# Altium PCB Goldstrike1_Rev01 - DLV.PcbDoc (part 3 of 3) (continued)
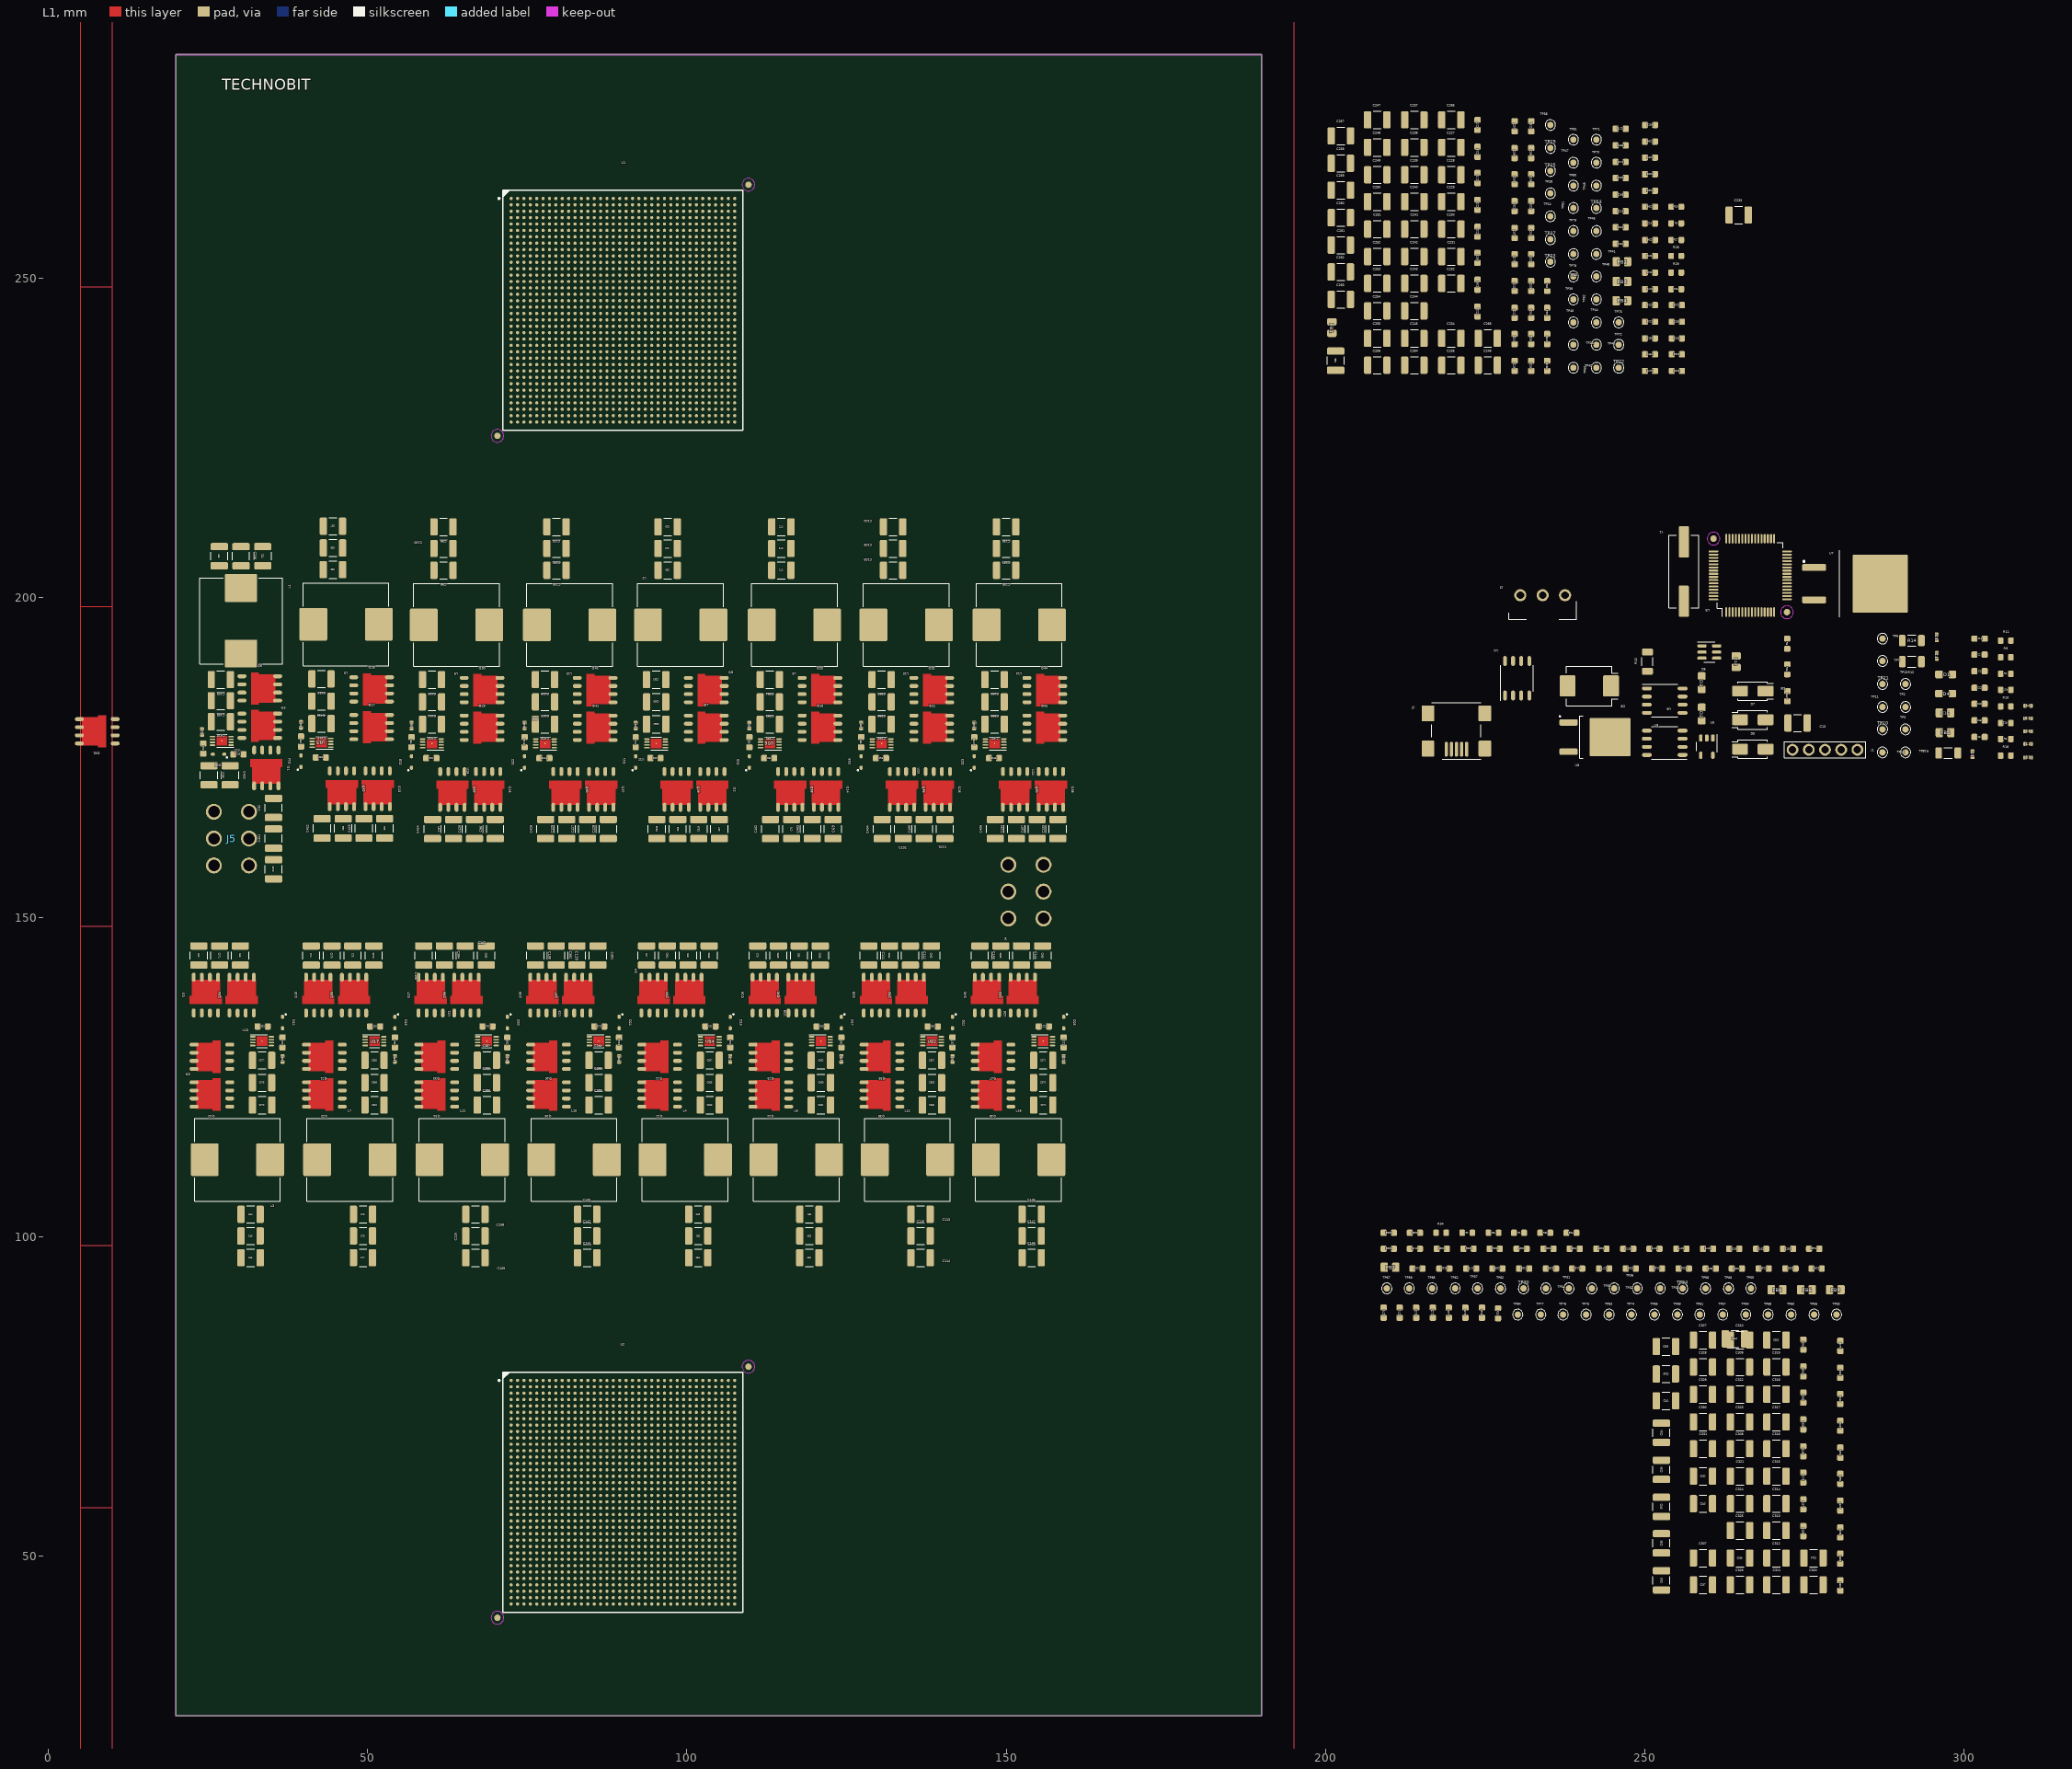
[diagram p0: L1 view]
## Nets (pads, with @x,y where several pads share a name; then routed paths per layer and width w, separated by ;. In a path a pad name is that pad's centre, name@x,y a point inside that pad or via, vN(x,y) a via of type N, cw(c..) or ccw(c..) an arc to the next point about the centre after c; other vN are vias at no path point) (continued)
GREEN: D2.2 U3.47
HO1: Q1.4 Q61.4 U11.1
HO2: Q13.4 Q62.4 U15.1
HO3: Q25.4 Q63.4 U19.1
HO4: Q37.4 Q64.4 U23.1
HO5: Q2.4 Q49.4 U12.1
HO6: Q14.4 Q58.4 U16.1
HO7: Q26.4 Q59.4 U20.1
HO8: Q38.4 Q60.4 U24.1
HO9: Q3.4 Q54.4 U13.1
HO10: Q15.4 Q55.4 U17.1
HO11: Q27.4 Q56.4 U21.1
HO12: Q39.4 Q57.4 U25.1
HO13: Q4.4 Q50.4 U14.1
HO14: Q16.4 Q51.4 U18.1
HO15: Q28.4 Q52.4 U22.1
HO16: Q40.4 Q53.4 U26.1
JTG_TRST_L_1: R20.1 U1.AE35 U1.AR12 U1.B25 U1.M2
JTG_TRST_L_2: R1.1 U2.AE35 U2.AR12 U2.B25 U2.M2
LDO3.3V-5.0V: R14.1 R15.1 U9.5 U9.8
LDO5.0V: C15.1 D5.1 D7.2 R11.1 R12.2 R15.2 U5.1 U5.3 U6.5 U6.8
LM12V: D8.1 R13.1 U4.8 U7.1 U8.1
LO1: Q5.4 Q6.4 U11.3
LO2: Q17.4 Q18.4 U15.3
LO3: Q29.4 Q30.4 U19.3
LO4: Q41.4 Q42.4 U23.3
LO5: Q7.4 Q8.4 U12.3
LO6: Q19.4 Q20.4 U16.3
LO7: Q31.4 Q32.4 U20.3
LO8: Q43.4 Q44.4 U24.3
LO9: Q9.4 Q10.4 U13.3
LO10: Q21.4 Q22.4 U17.3
LO11: Q33.4 Q34.4 U21.3
LO12: Q45.4 Q46.4 U25.3
LO13: Q11.4 Q12.4 U14.3
LO14: Q23.4 Q24.4 U18.3
LO15: Q35.4 Q36.4 U22.3
LO16: Q47.4 Q48.4 U26.3
"MAIN OSC IN": C10.1 U3.39 Y1.1
"MAIN OSC OUT": C11.1 U3.40 Y1.2
MCLR: C5.1 J1.1 R9.1 U3.7
MCU5.0V: R10.2 U3.34
MEAS12: C1.1 R4.2 R5.2 U3.18
NetR16_2: R16.2 R17.1 U9.2
NetR27_2: R27.2 TP78.1 U1.AE4
NetR28_2: R28.2 TP79.1 U1.AN25
NetR29_2: R29.2 TP80.1 U1.M33
NetR30_2: R30.2 TP81.1 U1.D12
NetR31_2: R31.2 TP82.1 U2.AE4
NetR32_2: R32.2 TP83.1 U2.AN25
NetR33_2: R33.2 TP84.1 U2.M33
NetR34_2: R34.2 TP85.1 U2.D12
NetTP3_1: TP3.1 U3.11
NetTP5_1: TP5.1 U3.12
NetTP6_1: TP6.1 U3.13
NetTP7_1: TP7.1 U3.14
NetTP10_1: TP10.1 U3.21
NetTP11_1: TP11.1 U3.22
NetTP12_1: TP12.1 U3.43
NetTP13_1: TP13.1 U3.42
NetTP21_1: TP21.1 U3.33
NetTP22_1: TP22.1 U1.AM6
NetTP23_1: TP23.1 U1.AL32
NetTP24_1: TP24.1 U1.E31
NetTP25_1: TP25.1 U1.F5
NetTP26_1: TP26.1 U1.AM7
NetTP27_1: TP27.1 U1.AK32
NetTP28_1: TP28.1 U1.E30
NetTP29_1: TP29.1 U1.G5
NetTP30_1: TP30.1 U2.AM6
NetTP31_1: TP31.1 U2.AL32
NetTP32_1: TP32.1 U2.E31
NetTP33_1: TP33.1 U2.F5
NetTP34_1: TP34.1 U2.AM7
NetTP35_1: TP35.1 U2.AK32
NetTP36_1: TP36.1 U2.E30
NetTP37_1: TP37.1 U2.G5
NetTP38_1: TP38.1 U1.AM1
NetTP39_1: TP39.1 U1.AT32
NetTP40_1: TP40.1 U1.E36
NetTP41_1: TP41.1 U1.A5
NetTP42_1: TP42.1 U1.AG2
NetTP43_1: TP43.1 U1.AR27
NetTP44_1: TP44.1 U1.K35
NetTP45_1: TP45.1 U1.B10
NetTP46_1: TP46.1 U1.AH3
NetTP47_1: TP47.1 U1.AP28
NetTP48_1: TP48.1 U1.J34
NetTP49_1: TP49.1 U1.C9
NetTP50_1: TP50.1 U1.AG4
NetTP51_1: TP51.1 U1.AN27
NetTP52_1: TP52.1 U1.K33
NetTP53_1: TP53.1 U1.D10
NetTP54_1: TP54.1 U2.AM1
NetTP55_1: TP55.1 U2.AT32
NetTP56_1: TP56.1 U2.E36
NetTP57_1: TP57.1 U2.A5
NetTP58_1: TP58.1 U2.AG2
NetTP59_1: TP59.1 U2.AR27
NetTP60_1: TP60.1 U2.K35
NetTP61_1: TP61.1 U2.B10
NetTP62_1: TP62.1 U2.AH3
NetTP63_1: TP63.1 U2.AP28
NetTP64_1: TP64.1 U2.J34
NetTP65_1: TP65.1 U2.C9
NetTP66_1: TP66.1 U2.AG4
NetTP67_1: TP67.1 U2.AN27
NetTP68_1: TP68.1 U2.K33
NetTP69_1: TP69.1 U2.D10
ORANGE: D4.2 U3.45
PGC: J1.5 U3.15
PGD: J1.4 U3.16
PLL_BYPASS_IN_1: R3.1 U1.A9 U1.AH1 U1.AT28 U1.J36
PLL_BYPASS_IN_2: R2.1 U2.A9 U2.AH1 U2.AT28 U2.J36
PLL_CFG_CLK: R26.1 U1.A8 U1.AJ1 U1.AT29 U1.H36 U2.A8 U2.AJ1 U2.AT29 U2.H36 U3.59
PLL_CFG_DAT: U1.AG3 U1.AP27 U1.C10 U1.K34 U2.AG3 U2.AP27 U2.C10 U2.K34 U3.58
PLL_REF_CLK: U1.AF4 U1.AN26 U1.D11 U1.L33 U2.AF4 U2.AN26 U2.D11 U2.L33 U3.46 U3.49 U3.50 U3.51 U3.52 U3.53 U3.54 U3.55
PLL_SUP: C16.1 C17.1 FB5.1 R16.1 U9.1
PWM1H: U3.61 U12.5 U14.5
PWM1L: U3.60 U11.5 U13.5
PWM2H: U3.63 U16.5 U18.5
PWM2L: U3.62 U15.5 U17.5
PWM3H: U3.1 U20.5 U22.5
PWM3L: U3.64 U19.5 U21.5
PWM4H: U3.3 U24.5 U26.5
PWM4L: U3.2 U23.5 U25.5
RED: D1.2 U3.48
RESET_COLD_L: R21.2 U1.AJ2 U1.AR29 U1.B8 U1.H35 U2.AJ2 U2.AR29 U2.B8 U2.H35 U3.8
SPI_RXD: U1.A6 U1.AL1 U1.AT31 U1.F36 U2.A6 U2.AL1 U2.AT31 U2.F36 U3.6
SPI_SCLK_IN: U1.AK2 U1.AR30 U1.B7 U1.G35 U2.AK2 U2.AR30 U2.B7 U2.G35 U3.4
SPI_SS_IN_L_1: U1.AJ3 U3.32
SPI_SS_IN_L_2: U1.AP29 U3.31
SPI_SS_IN_L_3: U1.H34 U3.30
SPI_SS_IN_L_4: U1.C8 U3.29
SPI_SS_IN_L_5: U2.AJ3 U3.28
SPI_SS_IN_L_6: U2.AP29 U3.27
SPI_SS_IN_L_7: U2.H34 U3.24
SPI_SS_IN_L_8: U2.C8 U3.23
SPI_TXD: U1.AH4 U1.AN28 U1.D9 U1.J33 U2.AH4 U2.AN28 U2.D9 U2.J33 U3.5
SWN1: C28.2 L1.1 Q1.1 Q1.2 Q1.3 Q5.5 Q5.6 Q5.7 Q5.8 Q6.5 Q6.6 Q6.7 Q6.8 Q61.1 Q61.2 Q61.3 U11.2
SWN2: C60.2 L5.1 Q13.1 Q13.2 Q13.3 Q17.5 Q17.6 Q17.7 Q17.8 Q18.5 Q18.6 Q18.7 Q18.8 Q62.1 Q62.2 Q62.3 U15.2
SWN3: C92.2 L9.1 Q25.1 Q25.2 Q25.3 Q29.5 Q29.6 Q29.7 Q29.8 Q30.5 Q30.6 Q30.7 Q30.8 Q63.1 Q63.2 Q63.3 U19.2
SWN4: C124.2 L13.1 Q37.1 Q37.2 Q37.3 Q41.5 Q41.6 Q41.7 Q41.8 Q42.5 Q42.6 Q42.7 Q42.8 Q64.1 Q64.2 Q64.3 U23.2
SWN5: C29.2 L2.1 Q2.1 Q2.2 Q2.3 Q7.5 Q7.6 Q7.7 Q7.8 Q8.5 Q8.6 Q8.7 Q8.8 Q49.1 Q49.2 Q49.3 U12.2
SWN6: C61.2 L6.1 Q14.1 Q14.2 Q14.3 Q19.5 Q19.6 Q19.7 Q19.8 Q20.5 Q20.6 Q20.7 Q20.8 Q58.1 Q58.2 Q58.3 U16.2
SWN7: C93.2 L10.1 Q26.1 Q26.2 Q26.3 Q31.5 Q31.6 Q31.7 Q31.8 Q32.5 Q32.6 Q32.7 Q32.8 Q59.1 Q59.2 Q59.3 U20.2
SWN8: C125.2 L14.1 Q38.1 Q38.2 Q38.3 Q43.5 Q43.6 Q43.7 Q43.8 Q44.5 Q44.6 Q44.7 Q44.8 Q60.1 Q60.2 Q60.3 U24.2
SWN9: C30.2 L3.1 Q3.1 Q3.2 Q3.3 Q9.5 Q9.6 Q9.7 Q9.8 Q10.5 Q10.6 Q10.7 Q10.8 Q54.1 Q54.2 Q54.3 U13.2
SWN10: C62.2 L7.1 Q15.1 Q15.2 Q15.3 Q21.5 Q21.6 Q21.7 Q21.8 Q22.5 Q22.6 Q22.7 Q22.8 Q55.1 Q55.2 Q55.3 U17.2
SWN11: C94.2 L11.1 Q27.1 Q27.2 Q27.3 Q33.5 Q33.6 Q33.7 Q33.8 Q34.5 Q34.6 Q34.7 Q34.8 Q56.1 Q56.2 Q56.3 U21.2
SWN12: C126.2 L15.1 Q39.1 Q39.2 Q39.3 Q45.5 Q45.6 Q45.7 Q45.8 Q46.5 Q46.6 Q46.7 Q46.8 Q57.1 Q57.2 Q57.3 U25.2
SWN13: C31.2 L4.1 Q4.1 Q4.2 Q4.3 Q11.5 Q11.6 Q11.7 Q11.8 Q12.5 Q12.6 Q12.7 Q12.8 Q50.1 Q50.2 Q50.3 U14.2
SWN14: C63.2 L8.1 Q16.1 Q16.2 Q16.3 Q23.5 Q23.6 Q23.7 Q23.8 Q24.5 Q24.6 Q24.7 Q24.8 Q51.1 Q51.2 Q51.3 U18.2
SWN15: C95.2 L12.1 Q28.1 Q28.2 Q28.3 Q35.5 Q35.6 Q35.7 Q35.8 Q36.5 Q36.6 Q36.7 Q36.8 Q52.1 Q52.2 Q52.3 U22.2
SWN16: C127.2 L16.1 Q40.1 Q40.2 Q40.3 Q47.5 Q47.6 Q47.7 Q47.8 Q48.5 Q48.6 Q48.7 Q48.8 Q53.1 Q53.2 Q53.3 U26.2
TEST_MODE_1: R22.1 U1.AD33 U1.AN13 U1.D24 U1.N4
TEST_MODE_2: R23.1 U2.AD33 U2.AN13 U2.D24 U2.N4
USB5.0V: D6.4 D6.6 J2.1 R10.1 R11.2
VCAP: C2.1 U3.56
VDD_PLL: C18.1 FB5.2 TP2.1
YELLOW: D3.2 U3.44
pads on no net: J2.4 J2.10 J2.11 U1.A3 U1.A4 U1.A13 U1.A14 U1.A15 U1.A16 U1.A18 U1.A20 U1.A21 U1.A22 U1.A23 U1.A25 U1.A26 U1.A27 U1.A28 U1.A30 U1.A31 U1.A32 U1.A33 U1.AA1 U1.AA2 U1.AA4 U1.AA33 U1.AA34 U1.AA36 U1.AB1 U1.AB2 U1.AB3 U1.AB4 U1.AB33 U1.AB34 U1.AB35 U1.AB36 U1.AC1 U1.AC3 U1.AC4 U1.AC33 U1.AC35 U1.AC36 U1.AD1 U1.AD2 U1.AD3 U1.AD34 U1.AD35 U1.AE2 U1.AE3 U1.AE34 U1.AE36 U1.AF33 U1.AF34 U1.AF36 U1.AG33 U1.AG34 U1.AG35 U1.AG36 U1.AH33 U1.AH35 U1.AH36 U1.AJ33 U1.AJ34 U1.AJ35 U1.AK3 U1.AK4 U1.AK34 U1.AK35 U1.AK36 U1.AL2 U1.AL4 U1.AL33 U1.AL34 U1.AL36 U1.AM2 U1.AM3 U1.AM4 U1.AM19 U1.AM33 U1.AM36 U1.AN1 U1.AN3 U1.AN4 U1.AN5 U1.AN6 U1.AN8 U1.AN9 U1.AN10 U1.AN11 U1.AN14 U1.AN15 U1.AN16 U1.AN20 U1.AN21 U1.AN22 U1.AN23 U1.AN30 U1.AN31 U1.AN32 U1.AN33 U1.AN35 U1.AN36 U1.AP1 U1.AP2 U1.AP3 U1.AP6 U1.AP7 U1.AP8 U1.AP10 U1.AP11 U1.AP12 U1.AP13 U1.AP15 U1.AP16 U1.AP17 U1.AP19 U1.AP20 U1.AP22 U1.AP23 U1.AP24 U1.AP25 U1.AP30 U1.AP32 U1.AP33 U1.AP34 U1.AP35 U1.AR2 U1.AR3 U1.AR4 U1.AR7 U1.AR8 U1.AR9 U1.AR10 U1.AR13 U1.AR14 U1.AR15 U1.AR17 U1.AR18 U1.AR19 U1.AR20 U1.AR21 U1.AR22 U1.AR24 U1.AR25 U1.AR31 U1.AR32 U1.AR34 U1.AR35 U1.AT4 U1.AT5 U1.AT6 U1.AT7 U1.AT9 U1.AT10 U1.AT11 U1.AT12 U1.AT14 U1.AT15 U1.AT16 U1.AT17 U1.AT19 U1.AT21 U1.AT22 U1.AT23 U1.AT24 U1.AT33 U1.AT34 U1.B2 U1.B3 U1.B5 U1.B6 U1.B12 U1.B13 U1.B15 U1.B16 U1.B17 U1.B18 U1.B19 U1.B20 U1.B22 U1.B23 U1.B24 U1.B27 U1.B28 U1.B29 U1.B30 U1.B33 U1.B34 U1.B35 U1.C2 U1.C3 U1.C4 U1.C5 U1.C7 U1.C12 U1.C13 U1.C14 U1.C15 U1.C17 U1.C18 U1.C20 U1.C21 U1.C22 U1.C24 U1.C25 U1.C26 U1.C27 U1.C29 U1.C30 U1.C31 U1.C34 U1.C35 U1.C36 U1.D1 U1.D2 U1.D4 U1.D5 U1.D6 U1.D7 U1.D14 U1.D15 U1.D16 U1.D17 U1.D21 U1.D22 U1.D23 U1.D26 U1.D27 U1.D28 U1.D29 U1.D31 U1.D32 U1.D33 U1.D34 U1.D36 U1.E1 U1.E4 U1.E18 U1.E33 U1.E34 U1.E35 U1.F1 U1.F3 U1.F4 U1.F33 U1.F35 U1.FID1 U1.FID2 U1.G1 U1.G2 U1.G3 U1.G33 U1.G34 U1.H2 U1.H3 U1.H4 U1.J1 U1.J2 U1.J4 U1.K1 U1.K2 U1.K3 U1.K4 U1.L1 U1.L3 U1.L4 U1.M1 U1.M3 U1.M34 U1.M35 U1.N2 U1.N3 U1.N34 U1.N35 U1.N36 U1.P1 U1.P2 U1.P4 U1.P33 U1.P34 U1.P36 U1.R1 U1.R2 U1.R3 U1.R4 U1.R33 U1.R34 U1.R35 U1.R36 U1.T1 U1.T3 U1.T4 U1.T33 U1.T35 U1.T36 U1.U1 U1.U2 U1.U3 U1.U33 U1.U34 U1.U35 U1.V2 U1.V32 U1.V34 U1.V35 U1.V36 U1.W1 U1.W2 U1.W3 U1.W5 U1.W35 U1.Y2 U1.Y3 U1.Y4 U1.Y34 U1.Y35 U1.Y36 U2.A3 U2.A4 U2.A13 U2.A14 U2.A15 U2.A16 U2.A18 U2.A20 U2.A21 U2.A22 U2.A23 U2.A25 U2.A26 U2.A27 U2.A28 U2.A30 U2.A31 U2.A32 U2.A33 U2.AA1 U2.AA2 U2.AA4 U2.AA33 U2.AA34 U2.AA36 U2.AB1 U2.AB2 U2.AB3 U2.AB4 U2.AB33 U2.AB34 U2.AB35 U2.AB36 U2.AC1 U2.AC3 U2.AC4 U2.AC33 U2.AC35 U2.AC36 U2.AD1 U2.AD2 U2.AD3 U2.AD34 U2.AD35 U2.AE2 U2.AE3 U2.AE34 U2.AE36 U2.AF33 U2.AF34 U2.AF36 U2.AG33 U2.AG34 U2.AG35 U2.AG36 U2.AH33 U2.AH35 U2.AH36 U2.AJ33 U2.AJ34 U2.AJ35 U2.AK3 U2.AK4 U2.AK34 U2.AK35 U2.AK36 U2.AL2 U2.AL4 U2.AL33 U2.AL34 U2.AL36 U2.AM2 U2.AM3 U2.AM4 U2.AM19 U2.AM33 U2.AM36 U2.AN1 U2.AN3 U2.AN4 U2.AN5 U2.AN6 U2.AN8 U2.AN9 U2.AN10 U2.AN11 U2.AN14 U2.AN15 U2.AN16 U2.AN20 U2.AN21 U2.AN22 U2.AN23 U2.AN30 U2.AN31 U2.AN32 U2.AN33 U2.AN35 U2.AN36 U2.AP1 U2.AP2 U2.AP3 U2.AP6 U2.AP7 U2.AP8 U2.AP10 U2.AP11 U2.AP12 U2.AP13 U2.AP15 U2.AP16 U2.AP17 U2.AP19 U2.AP20 U2.AP22 U2.AP23 U2.AP24 U2.AP25 U2.AP30 U2.AP32 U2.AP33 U2.AP34 U2.AP35 U2.AR2 U2.AR3 U2.AR4 U2.AR7 U2.AR8 U2.AR9 U2.AR10 U2.AR13 U2.AR14 U2.AR15 U2.AR17 U2.AR18 U2.AR19 U2.AR20 U2.AR21 U2.AR22 U2.AR24 U2.AR25 U2.AR31 U2.AR32 U2.AR34 U2.AR35 U2.AT4 U2.AT5 U2.AT6 U2.AT7 U2.AT9 U2.AT10 U2.AT11 U2.AT12 U2.AT14 U2.AT15 U2.AT16 U2.AT17 U2.AT19 U2.AT21 U2.AT22 U2.AT23 U2.AT24 U2.AT33 U2.AT34 U2.B2 U2.B3 U2.B5 U2.B6 U2.B12 U2.B13 U2.B15 U2.B16 U2.B17 U2.B18 U2.B19 U2.B20 U2.B22 U2.B23 U2.B24 U2.B27 U2.B28 U2.B29 U2.B30 U2.B33 U2.B34 U2.B35 U2.C2 U2.C3 U2.C4 U2.C5 U2.C7 U2.C12 U2.C13 U2.C14 U2.C15 U2.C17 U2.C18 U2.C20 U2.C21 U2.C22 U2.C24 U2.C25 U2.C26 U2.C27 U2.C29 U2.C30 U2.C31 U2.C34 U2.C35 U2.C36 U2.D1 U2.D2 U2.D4 U2.D5 U2.D6 U2.D7 U2.D14 U2.D15 U2.D16 U2.D17 U2.D21 U2.D22 U2.D23 U2.D26 U2.D27 U2.D28 U2.D29 U2.D31 U2.D32 U2.D33 U2.D34 U2.D36 U2.E1 U2.E4 U2.E18 U2.E33 U2.E34 U2.E35 U2.F1 U2.F3 U2.F4 U2.F33 U2.F35 U2.FID1 U2.FID2 U2.G1 U2.G2 U2.G3 U2.G33 U2.G34 U2.H2 U2.H3 U2.H4 U2.J1 U2.J2 U2.J4 U2.K1 U2.K2 U2.K3 U2.K4 U2.L1 U2.L3 U2.L4 U2.M1 U2.M3 U2.M34 U2.M35 U2.N2 U2.N3 U2.N34 U2.N35 U2.N36 U2.P1 U2.P2 U2.P4 U2.P33 U2.P34 U2.P36 U2.R1 U2.R2 U2.R3 U2.R4 U2.R33 U2.R34 U2.R35 U2.R36 U2.T1 U2.T3 U2.T4 U2.T33 U2.T35 U2.T36 U2.U1 U2.U2 U2.U3 U2.U33 U2.U34 U2.U35 U2.V2 U2.V32 U2.V34 U2.V35 U2.V36 U2.W1 U2.W2 U2.W3 U2.W5 U2.W35 U2.Y2 U2.Y3 U2.Y4 U2.Y34 U2.Y35 U2.Y36 U3.65 U3.66 U5.4 U6.2 U6.3 U6.4 U9.3 U9.4

## Keep-outs
Keep-Out Layer:
  the board outline again, w0.254

## Other copper
Multi-Layer:
  lines w0.05: 0.1,0.25 0.1,0.1 0.25,0.1
  lines w0.1: 5.1,12.6 10.1,12.6 195.1,12.6 ; 5.1,57.6 10.1,57.6 10.1,5.1 ; 5.1,98.638 10.1,98.638 ; 5.1,148.638 10.1,148.638 ; 5.1,198.638 10.1,198.638 ; 5.1,248.676 10.1,248.676 ; 10.1,292.1 10.1,5.1 ; 10.35,5.1 195.1,5.1 ; 195.1,57.6 195.1,5.1 ; 10.1,5.1 195.1,5.1 ; 10.1,5.1 5.1,5.1 5.1,292.1 195.1,292.1 195.1,5.1 ; 10.1,5.1 195.1,5.1 ; 10.1,5.1 195.1,5.1
  text "Printed copies of this document are uncontrolled and may NOT be current. All information is strictly CONFIDENTIAL." at 10.75,10.05 h1.05
  text "IMI Group reserves all rights even in the event of industrial property rights." at 118.85,10.05 h1.05
  text "We reserve all rights of disposal such as copying and passing on to third parties." at 10.7,6.6 h1.05

## Silkscreen, mask and mechanical layers (free items; w line width, h text height)
26_Silkscreen Top:
  text "TECHNOBIT" at 27.175,278.879 h3

## Text inside footprints (layer, text, board x,y; h text height)
J1: Layer_5 "1" at 272.14,175.25 h0.5; Layer_5 "5" at 283.983,175.25 h0.5
J2: Layer_5 "1" at 222.16,178.3 h0.5 r180; Layer_5 "5" at 219.017,178.3 h0.5 r180
J3: Layer_5 "3" at 229.367,200.7 h0.5 r180; Layer_5 "1" at 238.91,200.7 h0.5 r180
J4: Layer_5 "4" at 155.65,147.971 h0.5 r90; Layer_5 "3" at 150.7,159.583 h0.5 r90; Layer_5 "6" at 155.65,159.595 h0.5 r90; Layer_5 "1" at 150.7,148.09 h0.5 r90
J5: Layer_5 "4" at 31.25,156.271 h0.5 r90; Layer_5 "3" at 26.3,167.883 h0.5 r90; Layer_5 "6" at 31.25,167.895 h0.5 r90; Layer_5 "1" at 26.3,156.39 h0.5 r90